# Altium PCB Shuttler_AMC.PcbDoc (part 10 of 12)
Units mm, origin at the board's own origin, x right, y up, seen from the top; angles counter-clockwise.
Board outline 180.71 x 148.55 mm, 12 copper layers (Layer 1, Layer 2, Layer 3, Layer 4, Layer 5, Layer 6, Layer 7, Layer 8, Layer 9, Layer 10, Layer 11, Layer 12), stack 2.14 mm thick; 1184 components, 1698 nets, 9088 pads, 920 vias.
Unrouted connection lines stored in the file: 1441.
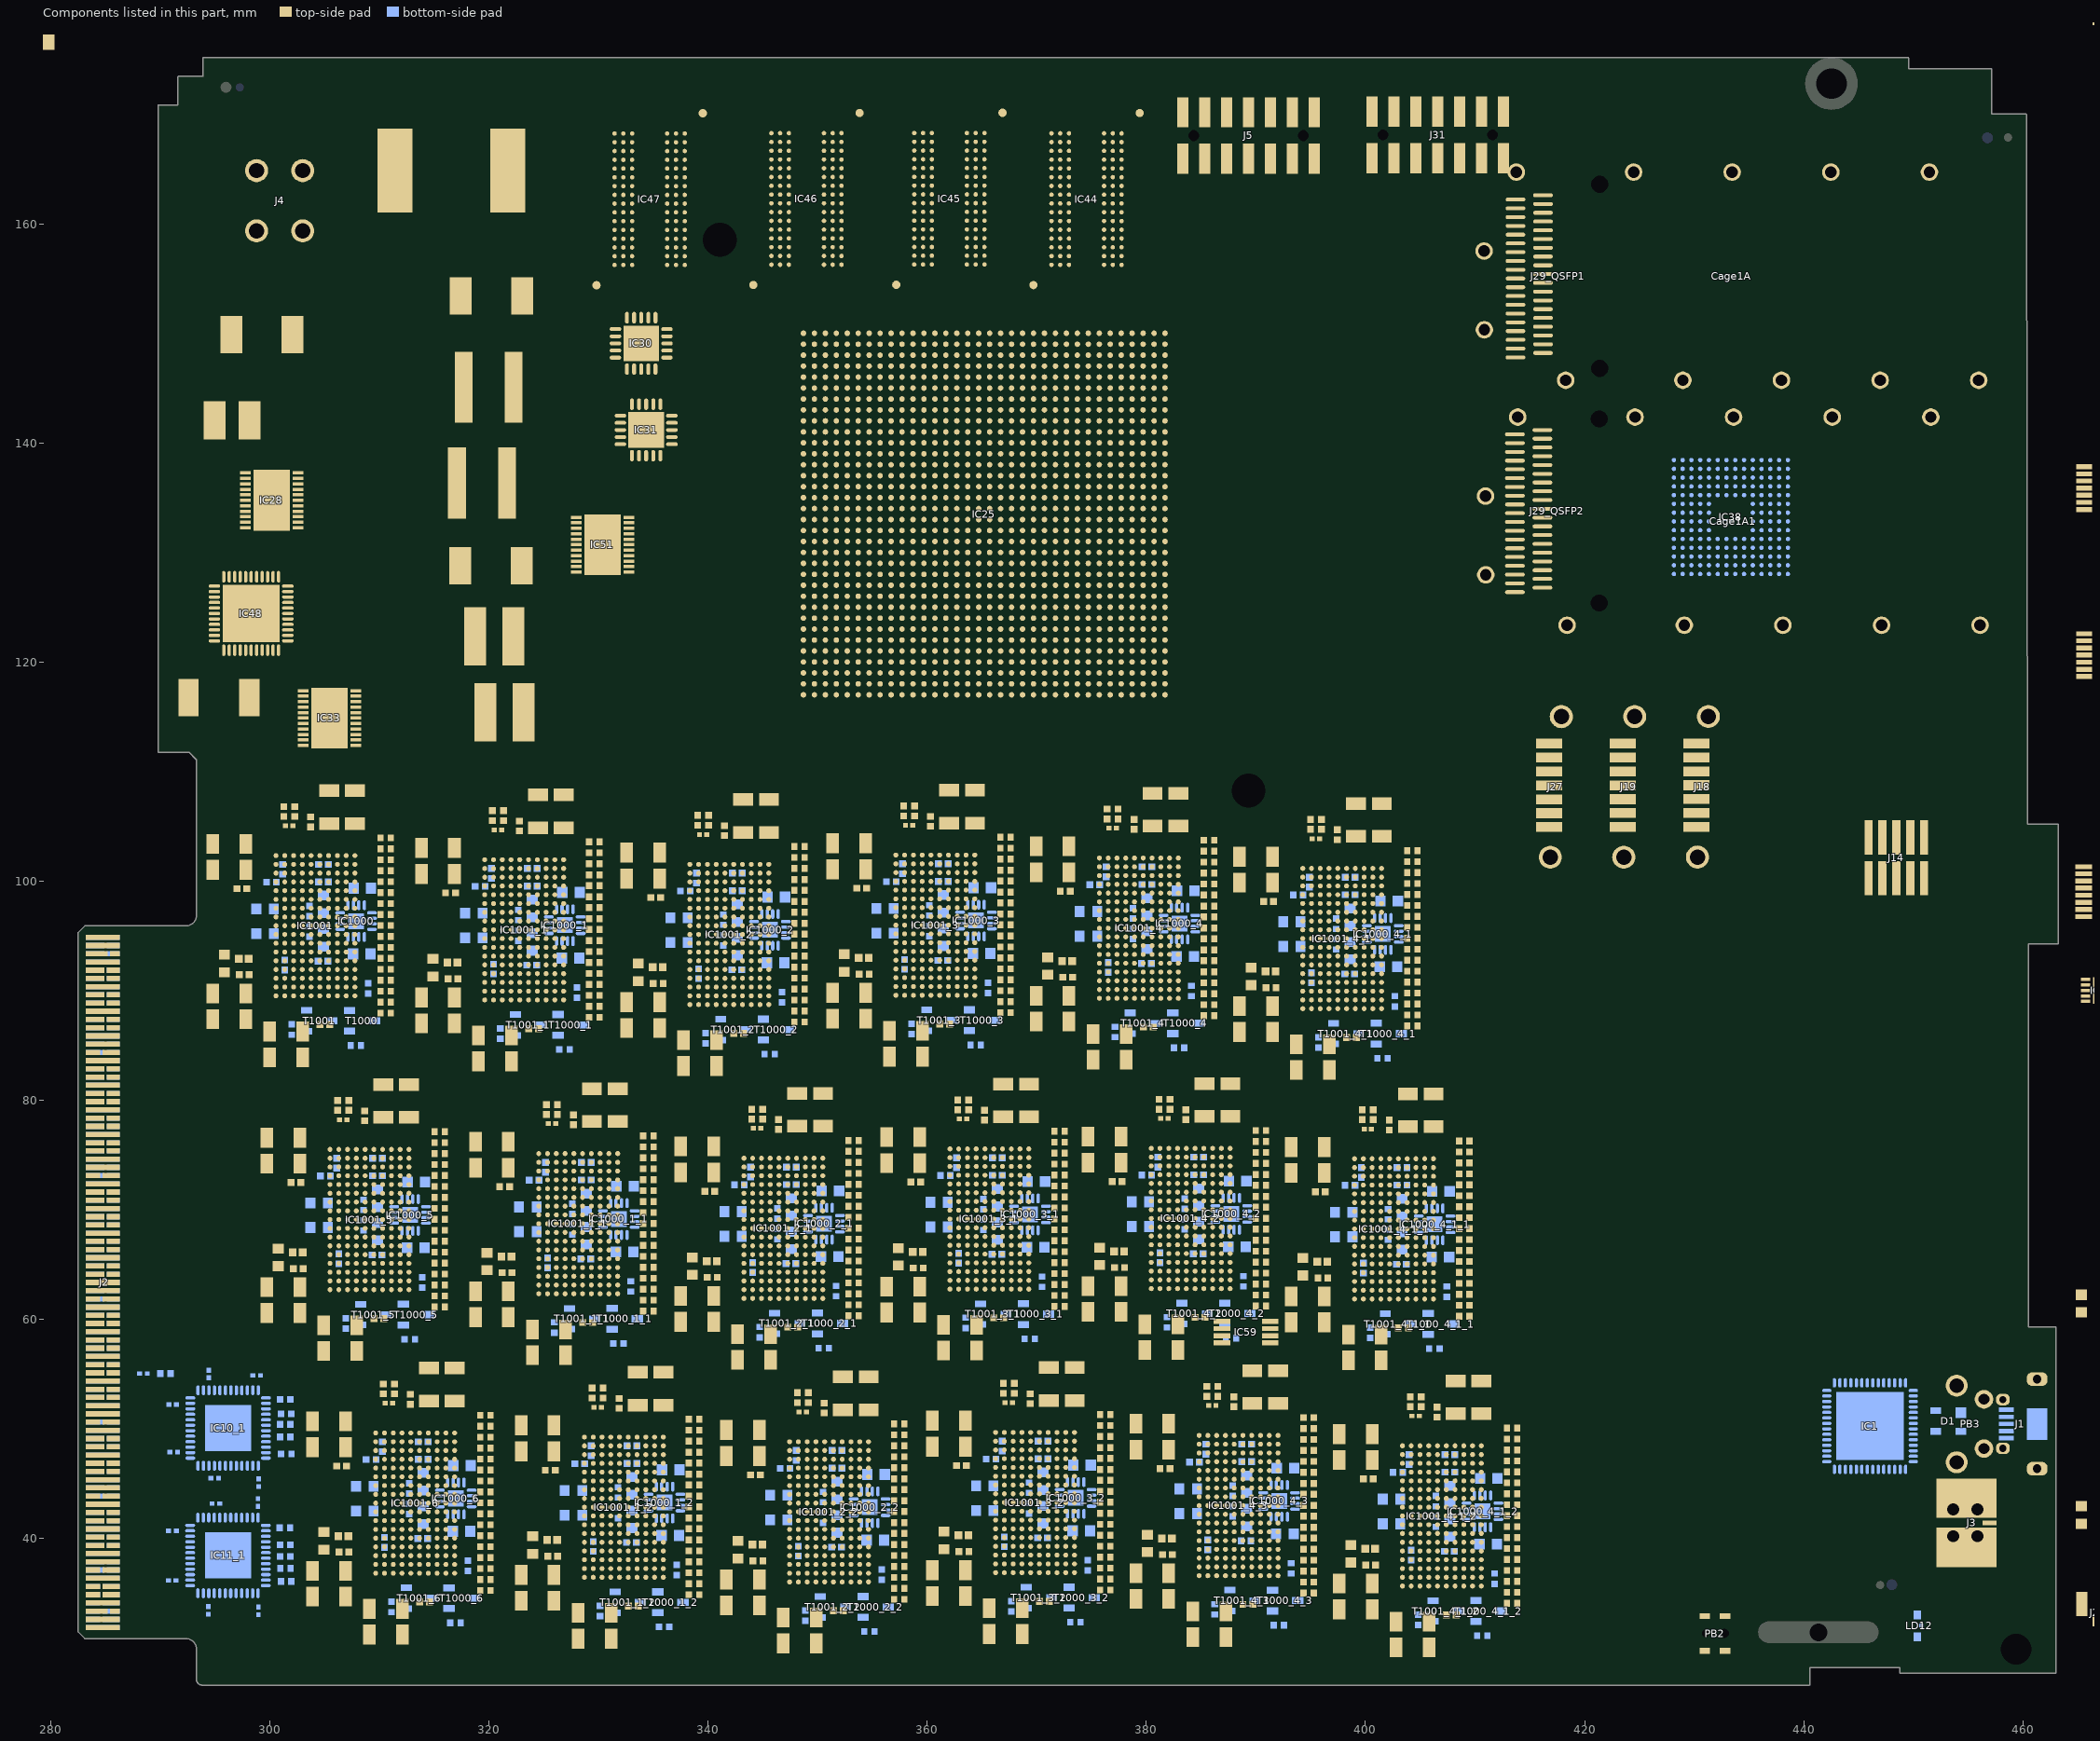
[diagram p16: the components of this part, seen from the top]

## Via types
v1: diameter 0.356, hole 0.155, Layer 1 to Layer 12, 431 vias
v2: diameter 0.3, hole 0.1, Layer 1 to Layer 12, 429 vias
v3: diameter 0.6, hole 0.3, Layer 1 to Layer 12, 38 vias
v4: diameter 0.406, hole 0.203, Layer 1 to Layer 12, 22 vias

## Nets (pads, with @x,y where several pads share a name; then routed paths per layer and width w, separated by ;. In a path a pad name is that pad's centre, name@x,y a point inside that pad or via, vN(x,y) a via of type N, cw(c..) or ccw(c..) an arc to the next point about the centre after c; other vN are vias at no path point) (continued)
copper on no net: (continued)
  Layer 1 w0.136: 301.275,105.922 301.275,105.566 301.434,105.407 301.434,105.083 301.445,105.072 301.445,104.564 301.637,104.372 301.637,102.618 301.369,102.35 ; 302.169,102.35 301.901,102.618 301.901,104.372 302.105,104.576 302.105,105.072 302.11,105.077 302.11,105.407 302.275,105.572 302.275,105.922 ; 306.206,79.1 306.206,78.744 306.365,78.585 306.365,78.261 306.376,78.25 306.376,77.742 306.568,77.55 306.568,75.796 306.3,75.528 ; 306.969,89.947 308.05,89.947 308.3,89.697 308.3,88.922 309.25,87.972 310.105,87.972 ; 306.969,90.75 307.972,90.75 309.75,88.972 310.105,88.972 ; 306.969,91.55 308.097,91.55 309.674,89.973 310.105,89.973 ; 306.969,92.35 308.222,92.35 309.6,90.972 310.105,90.972 ; 306.969,93.15 308.472,93.15 309.65,91.972 310.105,91.972 ; 306.969,93.95 308.647,93.95 309.625,92.972 310.105,92.972 ; 306.969,94.75 308.597,94.75 309.375,93.972 310.105,93.972 ; 306.969,95.55 307.925,95.55 307.975,95.5 308.847,95.5 309.375,94.972 310.105,94.972 ; 306.969,96.35 308.55,96.35 308.928,95.972 310.105,95.972 ; 306.969,97.15 308.772,97.15 308.95,96.972 310.105,96.972 ; 306.969,97.947 310.08,97.947 310.105,97.972 ; 306.969,98.75 308.803,98.75 309.025,98.972 310.105,98.972 ; 306.969,99.55 308.703,99.55 309.125,99.972 310.105,99.972 ; 306.969,100.35 308.675,100.35 309.297,100.972 310.105,100.972 ; 306.969,101.15 306.976,101.157 308.602,101.157 309.417,101.972 310.105,101.972 ; 306.969,101.95 306.976,101.957 308.36,101.957 309.375,102.972 310.105,102.972 ; 306.969,102.35 308.591,103.972 310.105,103.972 ; 307.1,75.528 306.832,75.796 306.832,77.55 307.036,77.754 307.036,78.25 307.041,78.255 307.041,78.585 307.206,78.75 307.206,79.1 ; 307.769,90.35 308.022,90.35 309.9,88.472 310.545,88.472 310.803,88.73 310.823,88.73 311.045,88.952 311.045,88.972 v2(311.7,88.972) ; 307.769,91.15 308.097,91.15 309.775,89.472 310.544,89.472 310.803,89.731 310.823,89.731 311.045,89.953 ; 307.769,91.95 308.15,91.95 309.628,90.472 310.545,90.472 310.803,90.73 310.823,90.73 311.045,90.952 311.045,90.972 v2(311.7,90.972) ; 307.769,92.75 308.297,92.75 309.575,91.472 310.545,91.472 310.803,91.73 310.823,91.73 311.045,91.952 311.045,91.972 v2(311.7,91.972) ; 307.769,93.55 308.655,93.55 309.733,92.472 310.545,92.472 310.803,92.73 310.823,92.73 311.045,92.952 311.045,92.972 v2(311.7,92.972) ; 307.769,94.35 308.634,94.35 309.512,93.472 310.545,93.472 310.803,93.73 310.823,93.73 311.045,93.952 311.045,93.972 v2(311.7,93.972) ; 307.769,95.15 308.597,95.15 309.275,94.472 310.545,94.472 310.803,94.73 310.823,94.73 311.045,94.952 311.045,94.972 v2(311.7,94.972) ; 307.769,95.95 308.616,95.95 308.83,95.736 309.211,95.736 309.475,95.472 310.545,95.472 310.803,95.73 310.823,95.73 311.045,95.952 311.045,95.972 v2(311.7,95.972) ; 307.769,96.75 308.331,96.75 308.697,96.75 308.975,96.472 310.545,96.472 310.803,96.73 310.823,96.73 311.045,96.952 311.045,96.972 v2(311.7,96.972) ; 307.769,97.55 308.353,97.55 308.697,97.55 308.775,97.472 310.545,97.472 310.803,97.73 310.823,97.73 311.045,97.952 311.045,97.972 v2(311.7,97.972) ; 307.769,98.35 308.253,98.35 308.753,98.35 308.875,98.472 310.545,98.472 310.803,98.73 310.823,98.73 311.045,98.952 311.045,98.972 v2(311.7,98.972) ; 307.769,99.15 308.253,99.15 308.753,99.15 309.075,99.472 310.545,99.472 310.803,99.73 310.823,99.73 311.045,99.952 311.045,99.972 v2(311.7,99.972) ; 307.769,99.95 308.103,99.95 308.653,99.95 309.175,100.472 310.545,100.472 310.803,100.73 310.823,100.73 311.045,100.952 311.045,100.972 v2(311.7,100.972) ; 307.769,100.75 307.794,100.775 308.078,100.775 308.678,100.775 309.375,101.472 310.545,101.472 310.803,101.73 310.823,101.73 311.045,101.952 311.045,101.972 v2(311.7,101.972) ; 307.769,101.55 307.794,101.575 308.078,101.575 308.478,101.575 309.375,102.472 310.545,102.472 310.803,102.73 310.823,102.73 311.045,102.952 311.045,102.972 v2(311.7,102.972) ; 307.769,102.35 307.794,102.375 308.228,102.375 309.325,103.472 310.545,103.472 310.803,103.73 310.823,103.73 311.045,103.952 311.045,103.972 v2(311.7,103.972) ; 307.772,89.547 307.769,89.55 307.769,88.778 309.175,87.372 310.475,87.372 310.823,87.72 310.823,87.75 311.045,87.972 v2(311.7,87.972) ; 310.375,53.222 310.375,52.866 310.534,52.707 310.534,52.383 310.545,52.372 310.545,51.864 310.737,51.672 310.737,49.918 310.469,49.65 ; 311.045,89.973 311.045,89.953 ; 311.269,49.65 311.001,49.918 311.001,51.672 311.205,51.876 311.205,52.372 311.21,52.377 311.21,52.707 311.375,52.872 311.375,53.222 ; v2(311.7,89.953) 311.045,89.953 ; 311.9,63.125 312.981,63.125 313.231,62.875 313.231,62.1 314.181,61.15 315.036,61.15 ; 311.9,63.928 312.903,63.928 314.681,62.15 315.036,62.15 ; 311.9,64.728 313.028,64.728 314.605,63.151 315.036,63.151 ; 311.9,65.528 313.153,65.528 314.531,64.15 315.036,64.15 ; 311.9,66.328 313.403,66.328 314.581,65.15 315.036,65.15 ; 311.9,67.128 313.578,67.128 314.556,66.15 315.036,66.15 ; 311.9,67.928 313.528,67.928 314.306,67.15 315.036,67.15 ; 311.9,68.728 312.856,68.728 312.906,68.678 313.778,68.678 314.306,68.15 315.036,68.15 ; 311.9,69.528 313.481,69.528 313.859,69.15 315.036,69.15 ; 311.9,70.328 313.703,70.328 313.881,70.15 315.036,70.15 ; 311.9,71.125 315.011,71.125 315.036,71.15 ; 311.9,71.928 313.734,71.928 313.956,72.15 315.036,72.15 ; 311.9,72.728 313.634,72.728 314.056,73.15 315.036,73.15 ; 311.9,73.528 313.606,73.528 314.228,74.15 315.036,74.15 ; 311.9,74.328 311.907,74.335 313.533,74.335 314.348,75.15 315.036,75.15 ; 311.9,75.128 311.907,75.135 313.291,75.135 314.306,76.15 315.036,76.15 ; 311.9,75.528 313.522,77.15 315.036,77.15 ; 312.7,63.528 312.953,63.528 314.831,61.65 315.476,61.65 315.734,61.908 315.754,61.908 315.976,62.13 315.976,62.15 v2(316.631,62.15) ; 312.7,64.328 313.028,64.328 314.706,62.65 315.475,62.65 315.734,62.909 315.754,62.909 315.976,63.131 ; 312.7,65.128 313.081,65.128 314.559,63.65 315.476,63.65 315.734,63.908 315.754,63.908 315.976,64.13 315.976,64.15 v2(316.631,64.15) ; 312.7,65.928 313.228,65.928 314.506,64.65 315.476,64.65 315.734,64.908 315.754,64.908 315.976,65.13 315.976,65.15 v2(316.631,65.15) ; 312.7,66.728 313.586,66.728 314.664,65.65 315.476,65.65 315.734,65.908 315.754,65.908 315.976,66.13 315.976,66.15 v2(316.631,66.15) ; 312.7,67.528 313.565,67.528 314.443,66.65 315.476,66.65 315.734,66.908 315.754,66.908 315.976,67.13 315.976,67.15 v2(316.631,67.15) ; 312.7,68.328 313.528,68.328 314.206,67.65 315.476,67.65 315.734,67.908 315.754,67.908 315.976,68.13 315.976,68.15 v2(316.631,68.15) ; 312.7,69.128 313.547,69.128 313.761,68.914 314.142,68.914 314.406,68.65 315.476,68.65 315.734,68.908 315.754,68.908 315.976,69.13 315.976,69.15 v2(316.631,69.15) ; 312.7,69.928 313.262,69.928 313.628,69.928 313.906,69.65 315.476,69.65 315.734,69.908 315.754,69.908 315.976,70.13 315.976,70.15 v2(316.631,70.15) ; 312.7,70.728 313.284,70.728 313.628,70.728 313.706,70.65 315.476,70.65 315.734,70.908 315.754,70.908 315.976,71.13 315.976,71.15 v2(316.631,71.15) ; 312.7,71.528 313.184,71.528 313.684,71.528 313.806,71.65 315.476,71.65 315.734,71.908 315.754,71.908 315.976,72.13 315.976,72.15 v2(316.631,72.15) ; 312.7,72.328 313.184,72.328 313.684,72.328 314.006,72.65 315.476,72.65 315.734,72.908 315.754,72.908 315.976,73.13 315.976,73.15 v2(316.631,73.15) ; 312.7,73.928 312.725,73.953 313.009,73.953 313.609,73.953 314.306,74.65 315.476,74.65 315.734,74.908 315.754,74.908 315.976,75.13 315.976,75.15 v2(316.631,75.15) ; 312.7,74.728 312.725,74.753 313.009,74.753 313.409,74.753 314.306,75.65 315.476,75.65 315.734,75.908 315.754,75.908 315.976,76.13 315.976,76.15 v2(316.631,76.15) ; 312.7,75.528 312.725,75.553 313.159,75.553 314.256,76.65 315.476,76.65 315.734,76.908 315.754,76.908 315.976,77.13 315.976,77.15 v2(316.631,77.15) ; 312.7,73.128 313.034,73.128 313.584,73.128 314.106,73.65 315.476,73.65 315.734,73.908 315.754,73.908 315.976,74.13 315.976,74.15 v2(316.631,74.15) ; 312.703,62.725 312.7,62.728 312.7,61.956 314.106,60.55 315.406,60.55 315.754,60.898 315.754,60.928 315.976,61.15 v2(316.631,61.15) ; 315.976,63.151 315.976,63.131 ; 316.069,37.247 317.15,37.247 317.4,36.997 317.4,36.222 318.35,35.272 319.205,35.272 ; 316.069,38.05 317.072,38.05 318.85,36.272 319.205,36.272 ; 316.069,38.85 317.197,38.85 318.774,37.273 319.205,37.273 ; 316.069,39.65 317.322,39.65 318.7,38.272 319.205,38.272 ; 316.069,40.45 317.572,40.45 318.75,39.272 319.205,39.272 ; 316.069,41.25 317.747,41.25 318.725,40.272 319.205,40.272 ; 316.069,42.05 317.697,42.05 318.475,41.272 319.205,41.272 ; 316.069,42.85 317.025,42.85 317.075,42.8 317.947,42.8 318.475,42.272 319.205,42.272 ; 316.069,43.65 317.65,43.65 318.028,43.272 319.205,43.272 ; 316.069,44.45 317.872,44.45 318.05,44.272 319.205,44.272 ; 316.069,45.247 319.18,45.247 319.205,45.272 ; 316.069,46.05 317.903,46.05 318.125,46.272 319.205,46.272 ; 316.069,46.85 317.803,46.85 318.225,47.272 319.205,47.272 ; 316.069,47.65 317.775,47.65 318.397,48.272 319.205,48.272 ; 316.069,48.45 316.076,48.457 317.702,48.457 318.517,49.272 319.205,49.272 ; 316.069,49.25 316.076,49.257 317.46,49.257 318.475,50.272 319.205,50.272 ; 316.069,49.65 317.691,51.272 319.205,51.272 ; v2(316.631,63.131) 315.976,63.131 ; 316.869,37.65 317.122,37.65 319,35.772 319.645,35.772 319.903,36.03 319.923,36.03 320.145,36.252 320.145,36.272 v2(320.8,36.272) ; 316.869,38.45 317.197,38.45 318.875,36.772 319.644,36.772 319.903,37.031 319.923,37.031 320.145,37.253 ; 316.869,39.25 317.25,39.25 318.728,37.772 319.645,37.772 319.903,38.03 319.923,38.03 320.145,38.252 320.145,38.272 v2(320.8,38.272) ; 316.869,40.05 317.397,40.05 318.675,38.772 319.645,38.772 319.903,39.03 319.923,39.03 320.145,39.252 320.145,39.272 v2(320.8,39.272) ; 316.869,40.85 317.755,40.85 318.833,39.772 319.645,39.772 319.903,40.03 319.923,40.03 320.145,40.252 320.145,40.272 v2(320.8,40.272) ; 316.869,41.65 317.734,41.65 318.612,40.772 319.645,40.772 319.903,41.03 319.923,41.03 320.145,41.252 320.145,41.272 v2(320.8,41.272) ; 316.869,42.45 317.697,42.45 318.375,41.772 319.645,41.772 319.903,42.03 319.923,42.03 320.145,42.252 320.145,42.272 v2(320.8,42.272) ; 316.869,43.25 317.716,43.25 317.93,43.036 318.311,43.036 318.575,42.772 319.645,42.772 319.903,43.03 319.923,43.03 320.145,43.252 320.145,43.272 v2(320.8,43.272) ; 316.869,44.05 317.431,44.05 317.797,44.05 318.075,43.772 319.645,43.772 319.903,44.03 319.923,44.03 320.145,44.252 320.145,44.272 v2(320.8,44.272) ; 316.869,44.85 317.453,44.85 317.797,44.85 317.875,44.772 319.645,44.772 319.903,45.03 319.923,45.03 320.145,45.252 320.145,45.272 v2(320.8,45.272) ; 316.869,45.65 317.353,45.65 317.853,45.65 317.975,45.772 319.645,45.772 319.903,46.03 319.923,46.03 320.145,46.252 320.145,46.272 v2(320.8,46.272) ; 316.869,46.45 317.353,46.45 317.853,46.45 318.175,46.772 319.645,46.772 319.903,47.03 319.923,47.03 320.145,47.252 320.145,47.272 v2(320.8,47.272) ; 316.869,47.25 317.203,47.25 317.753,47.25 318.275,47.772 319.645,47.772 319.903,48.03 319.923,48.03 320.145,48.252 320.145,48.272 v2(320.8,48.272) ; 316.869,48.05 316.894,48.075 317.178,48.075 317.778,48.075 318.475,48.772 319.645,48.772 319.903,49.03 319.923,49.03 320.145,49.252 320.145,49.272 v2(320.8,49.272) ; 316.869,48.85 316.894,48.875 317.178,48.875 317.578,48.875 318.475,49.772 319.645,49.772 319.903,50.03 319.923,50.03 320.145,50.252 320.145,50.272 v2(320.8,50.272) ; 316.869,49.65 316.894,49.675 317.328,49.675 318.425,50.772 319.645,50.772 319.903,51.03 319.923,51.03 320.145,51.252 320.145,51.272 v2(320.8,51.272) ; 316.872,36.847 316.869,36.85 316.869,36.078 318.275,34.672 319.575,34.672 319.923,35.02 319.923,35.05 320.145,35.272 v2(320.8,35.272) ; 320.145,37.273 320.145,37.253 ; 320.325,105.547 320.325,105.191 320.484,105.032 320.484,104.708 320.495,104.697 320.495,104.189 320.687,103.997 320.687,102.243 320.419,101.975 ; v2(320.8,37.253) 320.145,37.253 ; 321.219,101.975 320.951,102.243 320.951,103.997 321.155,104.201 321.155,104.697 321.16,104.702 321.16,105.032 321.325,105.197 321.325,105.547 ; 325.256,78.725 325.256,78.369 325.415,78.21 325.415,77.886 325.426,77.875 325.426,77.367 325.618,77.175 325.618,75.421 325.35,75.153 ; 326.019,89.572 327.1,89.572 327.35,89.322 327.35,88.547 328.3,87.597 329.155,87.597 ; 326.019,90.375 327.022,90.375 328.8,88.597 329.155,88.597 ; 326.019,91.175 327.147,91.175 328.724,89.598 329.155,89.598 ; 326.019,91.975 327.272,91.975 328.65,90.597 329.155,90.597 ; 326.019,92.775 327.522,92.775 328.7,91.597 329.155,91.597 ; 326.019,93.575 327.697,93.575 328.675,92.597 329.155,92.597 ; 326.019,94.375 327.647,94.375 328.425,93.597 329.155,93.597 ; 326.019,95.175 326.975,95.175 327.025,95.125 327.897,95.125 328.425,94.597 329.155,94.597 ; 326.019,95.975 327.6,95.975 327.978,95.597 329.155,95.597 ; 326.019,96.775 327.822,96.775 328,96.597 329.155,96.597 ; 326.019,97.572 329.13,97.572 329.155,97.597 ; 326.019,98.375 327.853,98.375 328.075,98.597 329.155,98.597 ; 326.019,99.175 327.753,99.175 328.175,99.597 329.155,99.597 ; 326.019,99.975 327.725,99.975 328.347,100.597 329.155,100.597 ; 326.019,100.775 326.026,100.782 327.652,100.782 328.467,101.597 329.155,101.597 ; 326.019,101.575 326.026,101.582 327.41,101.582 328.425,102.597 329.155,102.597 ; 326.019,101.975 327.641,103.597 329.155,103.597 ; 326.15,75.153 325.882,75.421 325.882,77.175 326.086,77.379 326.086,77.875 326.091,77.88 326.091,78.21 326.256,78.375 326.256,78.725 ; 326.819,89.975 327.072,89.975 328.95,88.097 329.595,88.097 329.853,88.355 329.873,88.355 330.095,88.577 330.095,88.597 v2(330.75,88.597) ; 326.819,90.775 327.147,90.775 328.825,89.097 329.594,89.097 329.853,89.356 329.873,89.356 330.095,89.578 ; 326.819,91.575 327.2,91.575 328.678,90.097 329.595,90.097 329.853,90.355 329.873,90.355 330.095,90.577 330.095,90.597 v2(330.75,90.597) ; 326.819,92.375 327.347,92.375 328.625,91.097 329.595,91.097 329.853,91.355 329.873,91.355 330.095,91.577 330.095,91.597 v2(330.75,91.597) ; 326.819,93.175 327.705,93.175 328.783,92.097 329.595,92.097 329.853,92.355 329.873,92.355 330.095,92.577 330.095,92.597 v2(330.75,92.597) ; 326.819,93.975 327.684,93.975 328.562,93.097 329.595,93.097 329.853,93.355 329.873,93.355 330.095,93.577 330.095,93.597 v2(330.75,93.597) ; 326.819,94.775 327.647,94.775 328.325,94.097 329.595,94.097 329.853,94.355 329.873,94.355 330.095,94.577 330.095,94.597 v2(330.75,94.597) ; 326.819,95.575 327.666,95.575 327.88,95.361 328.261,95.361 328.525,95.097 329.595,95.097 329.853,95.355 329.873,95.355 330.095,95.577 330.095,95.597 v2(330.75,95.597) ; 326.819,96.375 327.381,96.375 327.747,96.375 328.025,96.097 329.595,96.097 329.853,96.355 329.873,96.355 330.095,96.577 330.095,96.597 v2(330.75,96.597) ; 326.819,97.175 327.403,97.175 327.747,97.175 327.825,97.097 329.595,97.097 329.853,97.355 329.873,97.355 330.095,97.577 330.095,97.597 v2(330.75,97.597) ; 326.819,97.975 327.303,97.975 327.803,97.975 327.925,98.097 329.595,98.097 329.853,98.355 329.873,98.355 330.095,98.577 330.095,98.597 v2(330.75,98.597) ; 326.819,98.775 327.303,98.775 327.803,98.775 328.125,99.097 329.595,99.097 329.853,99.355 329.873,99.355 330.095,99.577 330.095,99.597 v2(330.75,99.597) ; 326.819,99.575 327.153,99.575 327.703,99.575 328.225,100.097 329.595,100.097 329.853,100.355 329.873,100.355 330.095,100.577 330.095,100.597 v2(330.75,100.597) ; 326.819,100.375 326.844,100.4 327.128,100.4 327.728,100.4 328.425,101.097 329.595,101.097 329.853,101.355 329.873,101.355 330.095,101.577 330.095,101.597 v2(330.75,101.597) ; 326.819,101.175 326.844,101.2 327.128,101.2 327.528,101.2 328.425,102.097 329.595,102.097 329.853,102.355 329.873,102.355 330.095,102.577 330.095,102.597 v2(330.75,102.597) ; 326.819,101.975 326.844,102 327.278,102 328.375,103.097 329.595,103.097 329.853,103.355 329.873,103.355 330.095,103.577 330.095,103.597 v2(330.75,103.597) ; 326.822,89.172 326.819,89.175 326.819,88.403 328.225,86.997 329.525,86.997 329.873,87.345 329.873,87.375 330.095,87.597 v2(330.75,87.597) ; 329.425,52.847 329.425,52.491 329.584,52.332 329.584,52.008 329.595,51.997 329.595,51.489 329.787,51.297 329.787,49.543 329.519,49.275 ; 330.095,89.598 330.095,89.578 ; 330.319,49.275 330.051,49.543 330.051,51.297 330.255,51.501 330.255,51.997 330.26,52.002 330.26,52.332 330.425,52.497 330.425,52.847 ; v2(330.75,89.578) 330.095,89.578 ; 330.95,62.75 332.031,62.75 332.281,62.5 332.281,61.725 333.231,60.775 334.086,60.775 ; 330.95,63.553 331.953,63.553 333.731,61.775 334.086,61.775 ; 330.95,64.353 332.078,64.353 333.655,62.776 334.086,62.776 ; 330.95,65.153 332.203,65.153 333.581,63.775 334.086,63.775 ; 330.95,65.953 332.453,65.953 333.631,64.775 334.086,64.775 ; 330.95,66.753 332.628,66.753 333.606,65.775 334.086,65.775 ; 330.95,67.553 332.578,67.553 333.356,66.775 334.086,66.775 ; 330.95,68.353 331.906,68.353 331.956,68.303 332.828,68.303 333.356,67.775 334.086,67.775 ; 330.95,69.153 332.531,69.153 332.909,68.775 334.086,68.775 ; 330.95,69.953 332.753,69.953 332.931,69.775 334.086,69.775 ; 330.95,70.75 334.061,70.75 334.086,70.775 ; 330.95,71.553 332.784,71.553 333.006,71.775 334.086,71.775 ; 330.95,72.353 332.684,72.353 333.106,72.775 334.086,72.775 ; 330.95,73.153 332.656,73.153 333.278,73.775 334.086,73.775 ; 330.95,73.953 330.957,73.96 332.583,73.96 333.398,74.775 334.086,74.775 ; 330.95,74.753 330.957,74.76 332.341,74.76 333.356,75.775 334.086,75.775 ; 330.95,75.153 332.572,76.775 334.086,76.775 ; 331.75,63.153 332.003,63.153 333.881,61.275 334.526,61.275 334.784,61.533 334.804,61.533 335.026,61.755 335.026,61.775 v2(335.681,61.775) ; 331.75,63.953 332.078,63.953 333.756,62.275 334.525,62.275 334.784,62.534 334.804,62.534 335.026,62.756 ; 331.75,64.753 332.131,64.753 333.609,63.275 334.526,63.275 334.784,63.533 334.804,63.533 335.026,63.755 335.026,63.775 v2(335.681,63.775) ; 331.75,65.553 332.278,65.553 333.556,64.275 334.526,64.275 334.784,64.533 334.804,64.533 335.026,64.755 335.026,64.775 v2(335.681,64.775) ; 331.75,66.353 332.636,66.353 333.714,65.275 334.526,65.275 334.784,65.533 334.804,65.533 335.026,65.755 335.026,65.775 v2(335.681,65.775) ; 331.75,67.153 332.615,67.153 333.493,66.275 334.526,66.275 334.784,66.533 334.804,66.533 335.026,66.755 335.026,66.775 v2(335.681,66.775) ; 331.75,67.953 332.578,67.953 333.256,67.275 334.526,67.275 334.784,67.533 334.804,67.533 335.026,67.755 335.026,67.775 v2(335.681,67.775) ; 331.75,68.753 332.597,68.753 332.811,68.539 333.192,68.539 333.456,68.275 334.526,68.275 334.784,68.533 334.804,68.533 335.026,68.755 335.026,68.775 v2(335.681,68.775) ; 331.75,69.553 332.312,69.553 332.678,69.553 332.956,69.275 334.526,69.275 334.784,69.533 334.804,69.533 335.026,69.755 335.026,69.775 v2(335.681,69.775) ; 331.75,70.353 332.334,70.353 332.678,70.353 332.756,70.275 334.526,70.275 334.784,70.533 334.804,70.533 335.026,70.755 335.026,70.775 v2(335.681,70.775) ; 331.75,71.153 332.234,71.153 332.734,71.153 332.856,71.275 334.526,71.275 334.784,71.533 334.804,71.533 335.026,71.755 335.026,71.775 v2(335.681,71.775) ; 331.75,71.953 332.234,71.953 332.734,71.953 333.056,72.275 334.526,72.275 334.784,72.533 334.804,72.533 335.026,72.755 335.026,72.775 v2(335.681,72.775) ; 331.75,73.553 331.775,73.578 332.059,73.578 332.659,73.578 333.356,74.275 334.526,74.275 334.784,74.533 334.804,74.533 335.026,74.755 335.026,74.775 v2(335.681,74.775) ; 331.75,74.353 331.775,74.378 332.059,74.378 332.459,74.378 333.356,75.275 334.526,75.275 334.784,75.533 334.804,75.533 335.026,75.755 335.026,75.775 v2(335.681,75.775) ; 331.75,75.153 331.775,75.178 332.209,75.178 333.306,76.275 334.526,76.275 334.784,76.533 334.804,76.533 335.026,76.755 335.026,76.775 v2(335.681,76.775) ; 331.75,72.753 332.084,72.753 332.634,72.753 333.156,73.275 334.526,73.275 334.784,73.533 334.804,73.533 335.026,73.755 335.026,73.775 v2(335.681,73.775) ; 331.753,62.35 331.75,62.353 331.75,61.581 333.156,60.175 334.456,60.175 334.804,60.523 334.804,60.553 335.026,60.775 v2(335.681,60.775) ; 335.026,62.776 335.026,62.756 ; 335.119,36.872 336.2,36.872 336.45,36.622 336.45,35.847 337.4,34.897 338.255,34.897 ; 335.119,37.675 336.122,37.675 337.9,35.897 338.255,35.897 ; 335.119,38.475 336.247,38.475 337.824,36.898 338.255,36.898 ; 335.119,39.275 336.372,39.275 